# Altium PCB Barrier_PCB_V2.PcbDoc
Units mil, origin at the board's own origin, x right, y up, seen from the top; angles counter-clockwise.
Board outline 3592.71 x 3395.86 mil, 2 copper layers (Top Layer, Bottom Layer); 76 components, 93 nets, 401 pads, 67 vias.
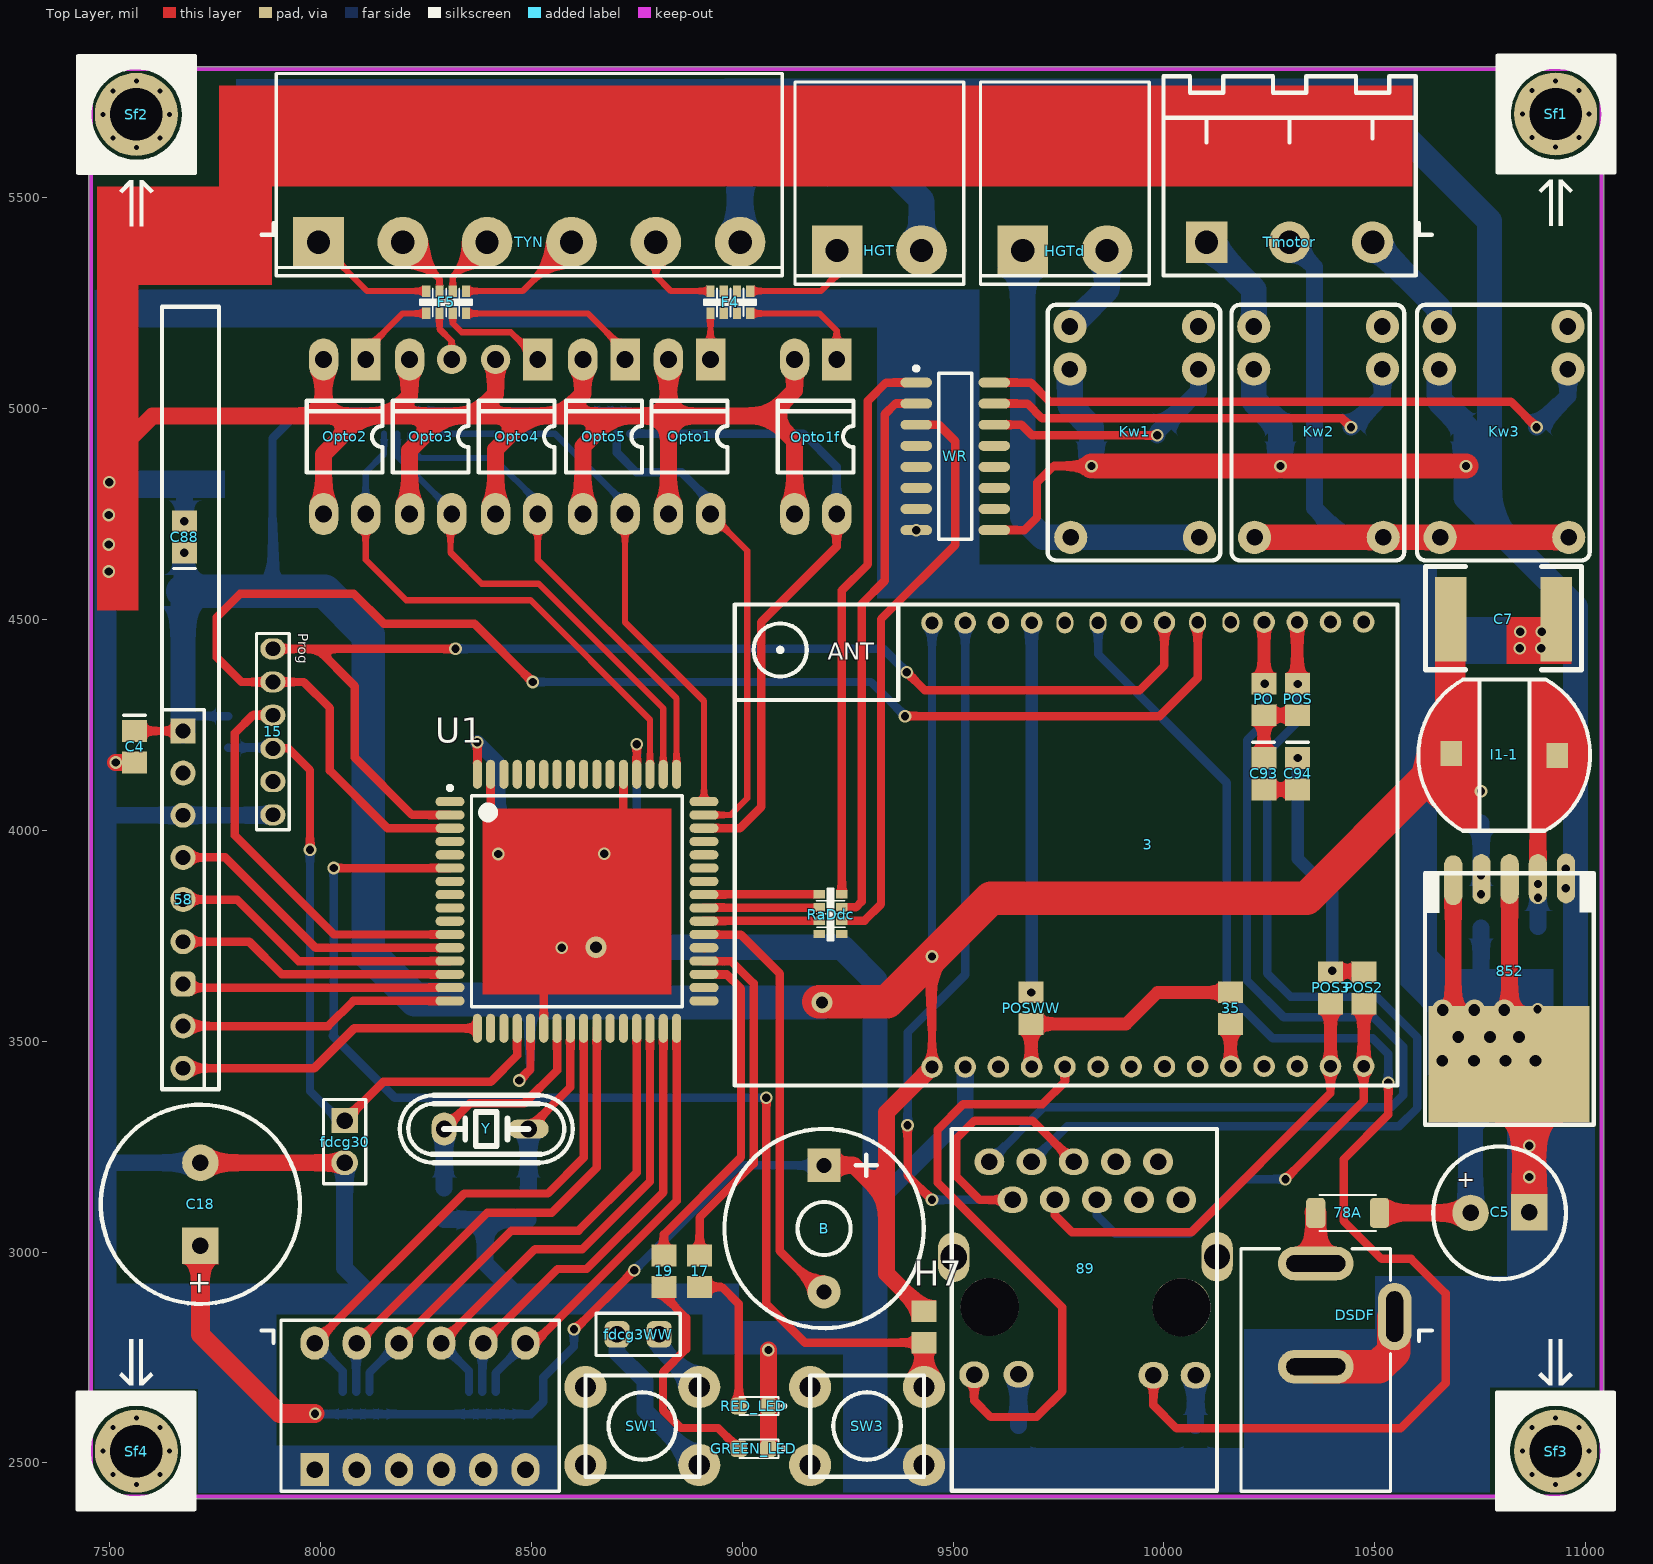
[diagram p0: Top Layer view]
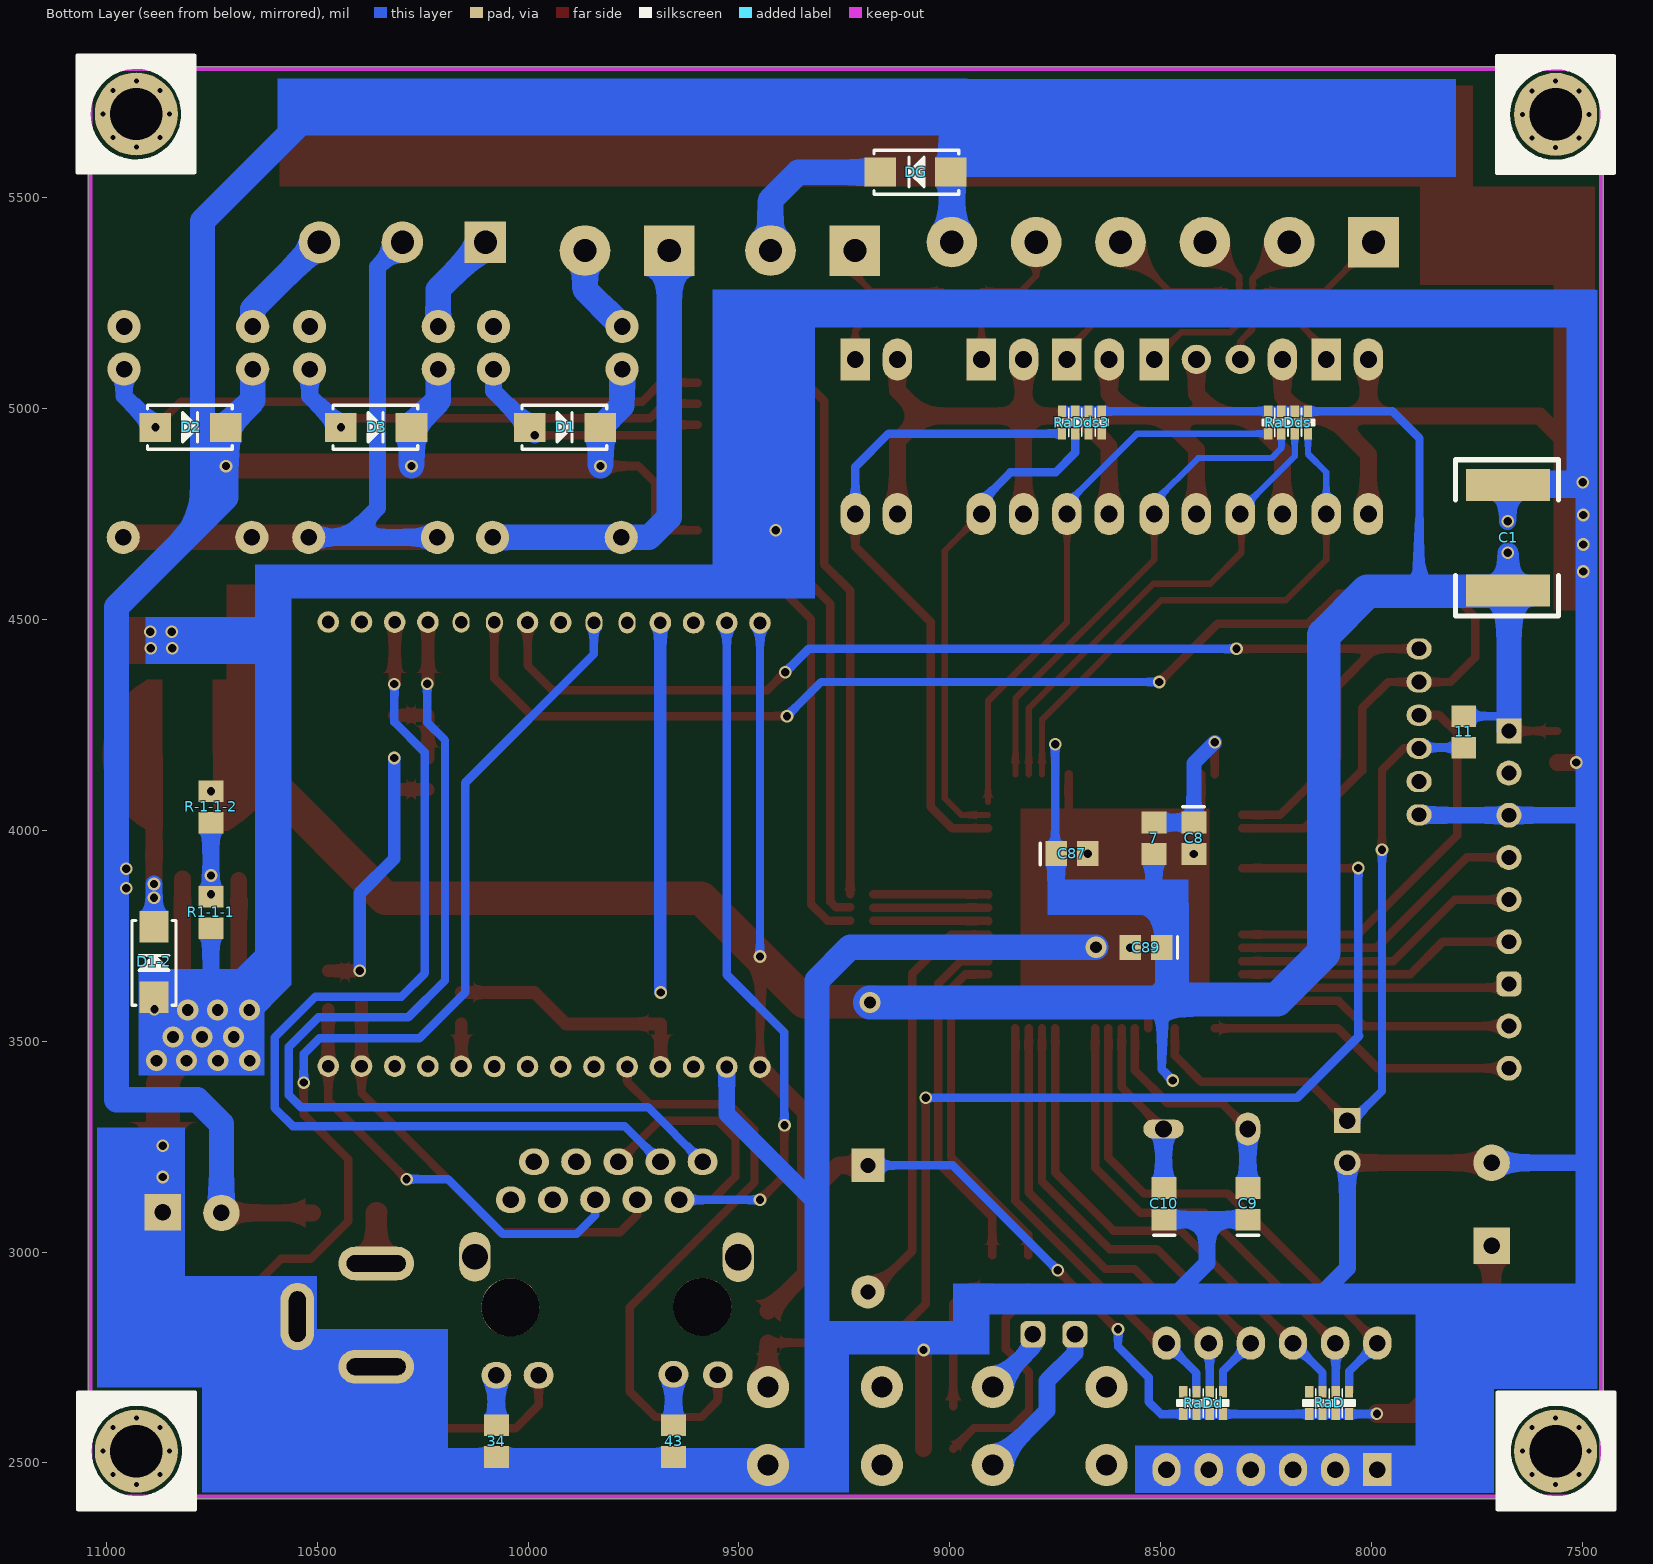
[diagram p1: Bottom Layer view, seen from below]
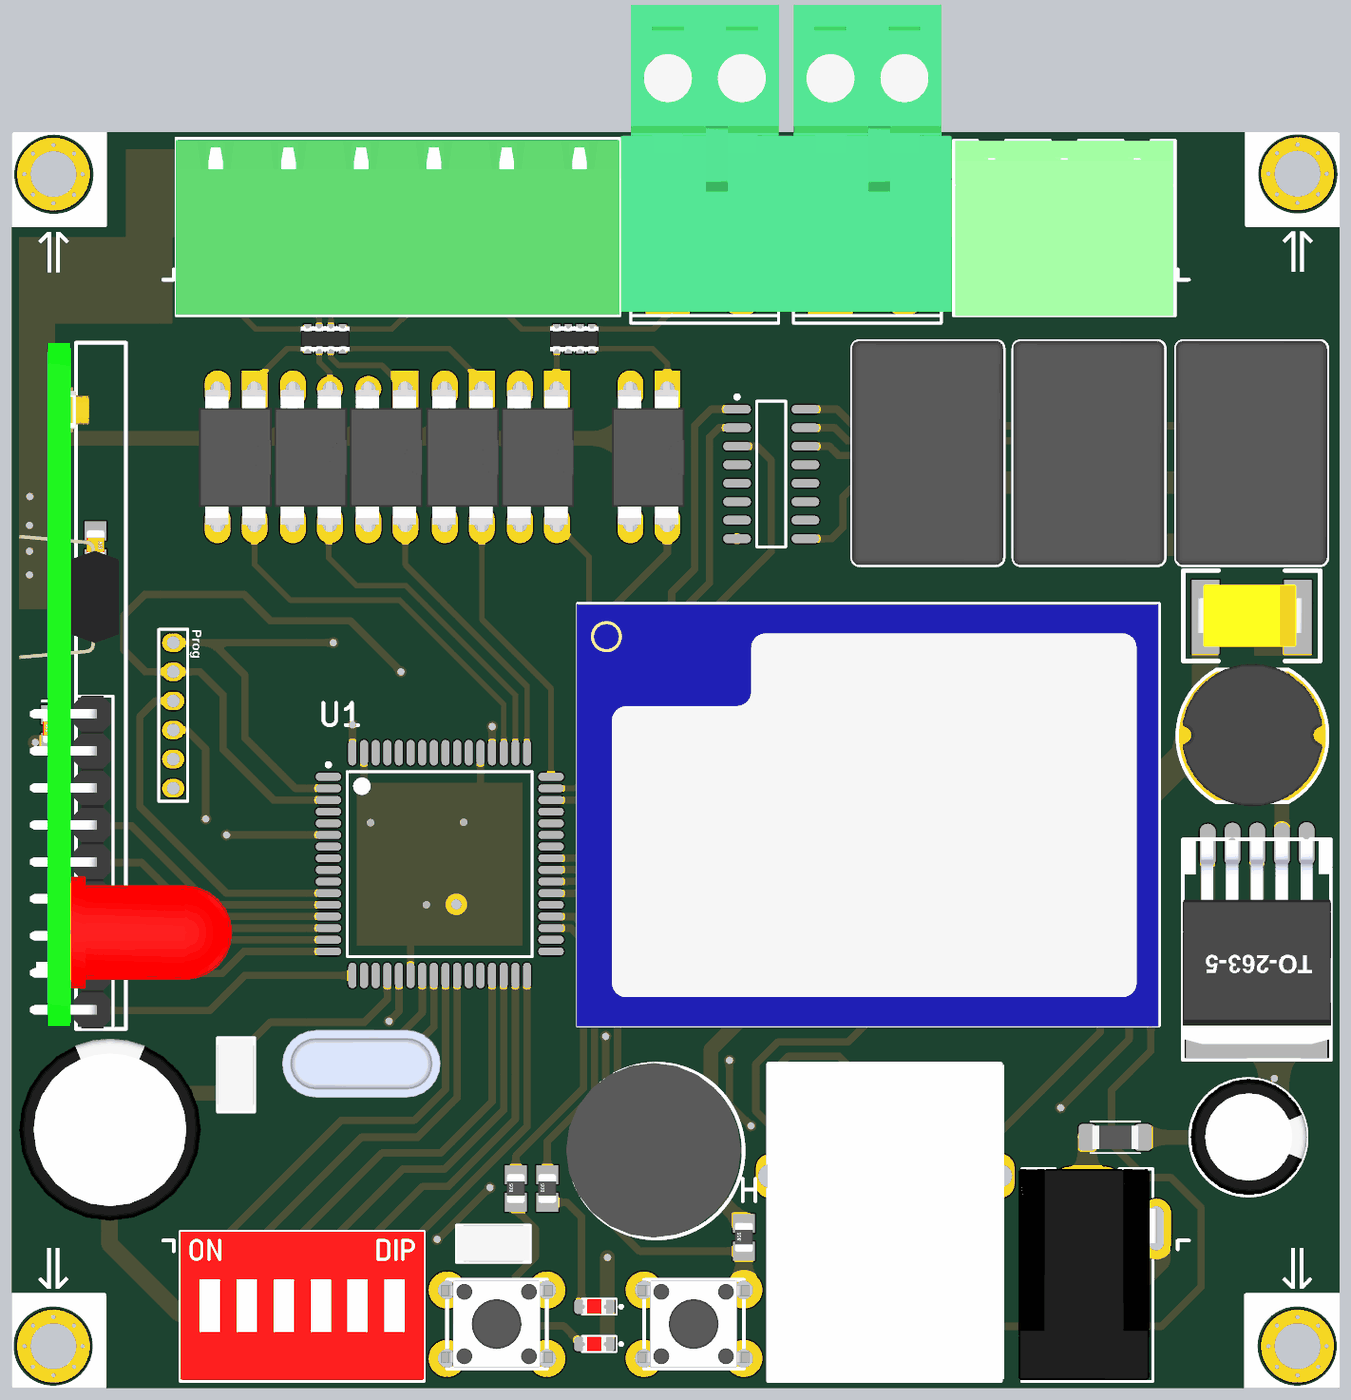
[diagram p2: 3D render of the assembled board from above, using the file's embedded part models]
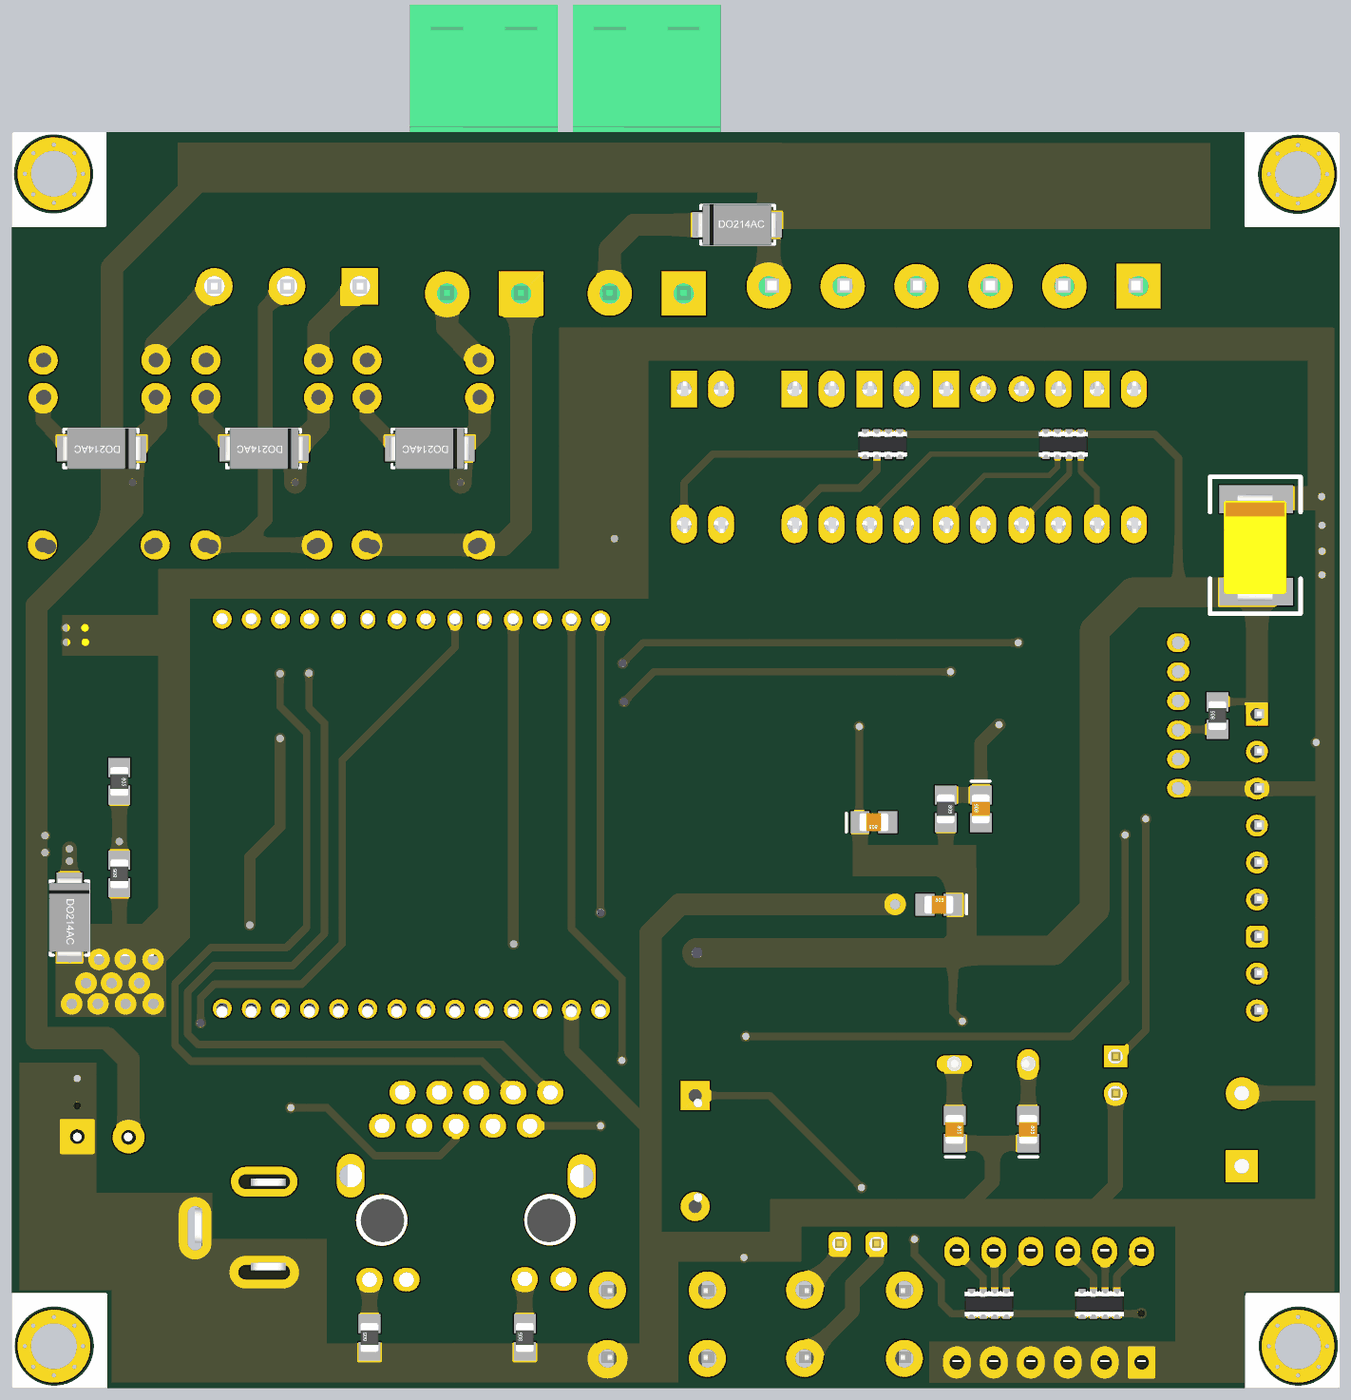
[diagram p3: 3D render of the assembled board from below, using the file's embedded part models]

## Layer stack, top to bottom
Top Solder: solder mask 0.4, Solder Resist, Dk 3.5
Top Layer: signal copper 1.4
Dielectric 1: dielectric 12.6, FR-4, Dk 4.8
Bottom Layer: signal copper 1.4
Bottom Solder: solder mask 0.4, Solder Resist, Dk 3.5

## Board outline
7450.23,2420.25 ccw(c7455.25,2420.25) 7455.25,2415.24 11037.93,2415.24 ccw(c11037.93,2420.25) 11042.94,2420.25 11042.94,5806.08 ccw(c11037.93,5806.08) 11037.93,5811.09 7455.25,5811.09 ccw(c7455.25,5806.08) 7450.23,5806.08

## Design rules (kind name [scope] priority, off if disabled: settings)
Clearance [All] p1: gap=10
PolygonConnect [All] p1: connectstyle=Relief reliefconductorwidth=10 reliefentries=4 polygonreliefangle="90 Angle" airgapwidth=10
RoutingVias [All] p1: holewidth=28 width=50 viastyle="Through Hole" minholewidth=28 minwidth=50 maxholewidth=28 maxwidth=50
SolderMaskExpansion [All] p1: expansion=4
Width [All] p1: maxlimit=100 minlimit=10 preferedwidth=10
30 further rules are at their usual default settings.

## Classes and differential pairs
component class Barrier_SchematicV2: 3 7 11 15 17 19 34 35 43 58 78A 89 852 B C1 C4 C5 C7 C8 C9 C10 C18 C87 C88 C89 C93 C94 D1 D1-2 D2 D3 DG DSDF F4 F5 fdcg3WW fdcg30 GREEN_LED H7 HGT HGTd I1-1 Kw1 Kw2 Kw3 Opto1 Opto1f Opto2 Opto3 Opto4 Opto5 PO POS POS2 POS3 POSWW R1-1-1 R-1-1-2 RaD RaDd RaDdc RaDds RaDds3 RED_LED Sf1 Sf2 Sf3 Sf4 SW1 SW3 Tmotor

## Components (designator, comment, footprint, x,y, rotation, side; value= is the part's Value field where it differs from the comment)
3 "HLK_WifiModule" HLK 10475,3440 r90 top locked
7 "10uH" Indicator0805 8518,4017 r270 bottom
11 "8.2K" R0805 7781,4198 r90 bottom
15 "Programmer" Programmer 7888,4428 r270 top
17 "330R" R0805 8899,2919 r90 top
19 "330R" R0805 8814,2919 r90 top
34 "330" R0805 10075,2516 r90 bottom
35 "330R" R0805 10158,3614 r270 top
43 "330" R0805 9655,2516 r90 bottom
58 "ZR17-J-RF" ZR17-J 7675,3435 r90 top
78A "fuse_SMD0805" fuse_SMD0805 10379,3093 r0 top
89 "RJ45_B" RJ45_B 9750,2533.06 r0 top
852 "LM2576S" LM2576S 10951,3888 r180 top
B "Buzzer" Buzzer 9196,3055.84 r270 top
C1 "470uf" 2220 7674,4815 r270 bottom
C4 "100nf" Cap0805 7559,4161 r90 top
C5 "Cap_4mm" Cap_4mm 10728,3093 r0 top
C7 "470uf" 2220 10926,4499 r180 top (schematic designator C1)
C8 "100nF" Cap0805 8421,3944 r90 bottom
C9 "22pf" Cap0805 8293,3152 r270 bottom
C10 "22pf" Cap0805 8492,3152 r270 bottom
C18 "Cap_5mm" Cap_5mm 7715,3015 r90 top
C87 "100nF" Cap0805 8673,3945 r0 bottom
C88 "100nF" Cap0805 7677,4733 r270 top
C89 "100nF" Cap0805 8572,3722 r180 bottom
C93 "100nf" Cap0805 10237,4097 r90 top
C94 "100nf" Cap0805 10317,4097 r90 top
D1 "" Diod-1A-SMD 9998,4955 r180 bottom
D1-2 "" Diod-1A-SMD 10886,3602 r90 bottom
D2 "" Diod-1A-SMD 10886,4955 r180 bottom
D3 "" Diod-1A-SMD 10446,4955 r180 bottom
DG "" Diod-1A-SMD 8995,5562 r0 bottom
DSDF "DC-Jack" DC_powerjack 10370,2730 r90 top
F4 "Res0603 Array" "Res 0603 Array" 9020,5277 r270 top
F5 "Res0603 Array" "Res 0603 Array" 8346,5277 r270 top
fdcg3WW "Jumper" Jumper#1 8806,2807 r180 top
fdcg30 "Jumper" Jumper#2 8055,3315 r270 top
GREEN_LED "LED_SMD" Led0805 9060.35,2534 r180 top
H7 "330" R0805 9431,2787 r90 top
HGT "PHOTO" Phonix-2 9225,5375 r0 top
HGTd "ALARM" Phonix-2 9665,5375 r0 top
I1-1 "Indicator100uH" Indicator_SMD 10823,4226 r180 top
Kw1 "Relay" RelayMiniHJR6PIN 10084,4695 r90 top
Kw2 "Relay" RelayMiniHJR6PIN 10520,4695 r90 top
Kw3 "Relay" RelayMiniHJR6PIN 10960,4695 r90 top
Opto1 "Optoisolator(smd)" OptoCupler#1 8871,5040 r270 top
Opto1f "Optoisolator(smd)" OptoCupler#1 9170,5040 r270 top
Opto2 "Optoisolator(smd)" OptoCupler#1 8053,5040 r270 top
Opto3 "Optoisolator(smd)" OptoCupler#2 8257,5040 r270 top
Opto4 "Optoisolator(smd)" OptoCupler#3 8461,5040 r270 top
Opto5 "Optoisolator(smd)" OptoCupler#1 8668,5040 r270 top
PO "51" R0805 10237,4275 r90 top
POS "51" R0805 10317,4275 r90 top
POS2 "51" R0805 10474,3662 r270 top
POS3 "51" R0805 10395,3662 r270 top
POSWW "1K" R0805 9685,3542.8 r90 top
R1-1-1 "1.5K" R0805 10752,3770 r90 bottom
R-1-1-2 "3.6K" R0805 10752,4091.2 r270 bottom
RaD "Res0603 Array" "Res 0603 Array" 8052,2667 r270 bottom
RaDd "Res0603 Array" "Res 0603 Array" 8351,2667 r270 bottom
RaDdc "Res0603 Array" "Res 0603 Array" 9185,3850 r0 top
RaDds "Res0603 Array" "Res 0603 Array" 8246,4943 r90 bottom
RaDds3 "Res0603 Array" "Res 0603 Array" 8735,4943 r90 bottom
RED_LED "LED_SMD" Led0805 9060.35,2635 r180 top
Sf1 "Screw" Screw 10930,5695 r0 top
Sf2 "Screw" Screw 7564,5694 r0 top
Sf3 "Screw" Screw 10928,2532 r180 top
Sf4 "Screw" Screw 7562,2532 r180 top
SW1 "PushButton_small" PushButton 8765,2653 r180 top
SW3 "PushButton_small" PushButton 9298,2653 r180 top
Tmotor "Phonix" Phonix-3 10100,5394.8 r0 top
TYN "Phonix" Phonix-6 7995,5395 r0 top
U1 "ATmega64-16AU" 64A_N 8608,3832 r0 top
WR "ULN2003" SO16 9410,4715 r0 top
Y "14.7456" CrystallB 8292,3291 r0 top
? "t" DIPSW6 7985,2482.18 r0 top
